# Altium PCB ble_lock_2020-10-10.PcbDoc (part 1 of 5) (continued)
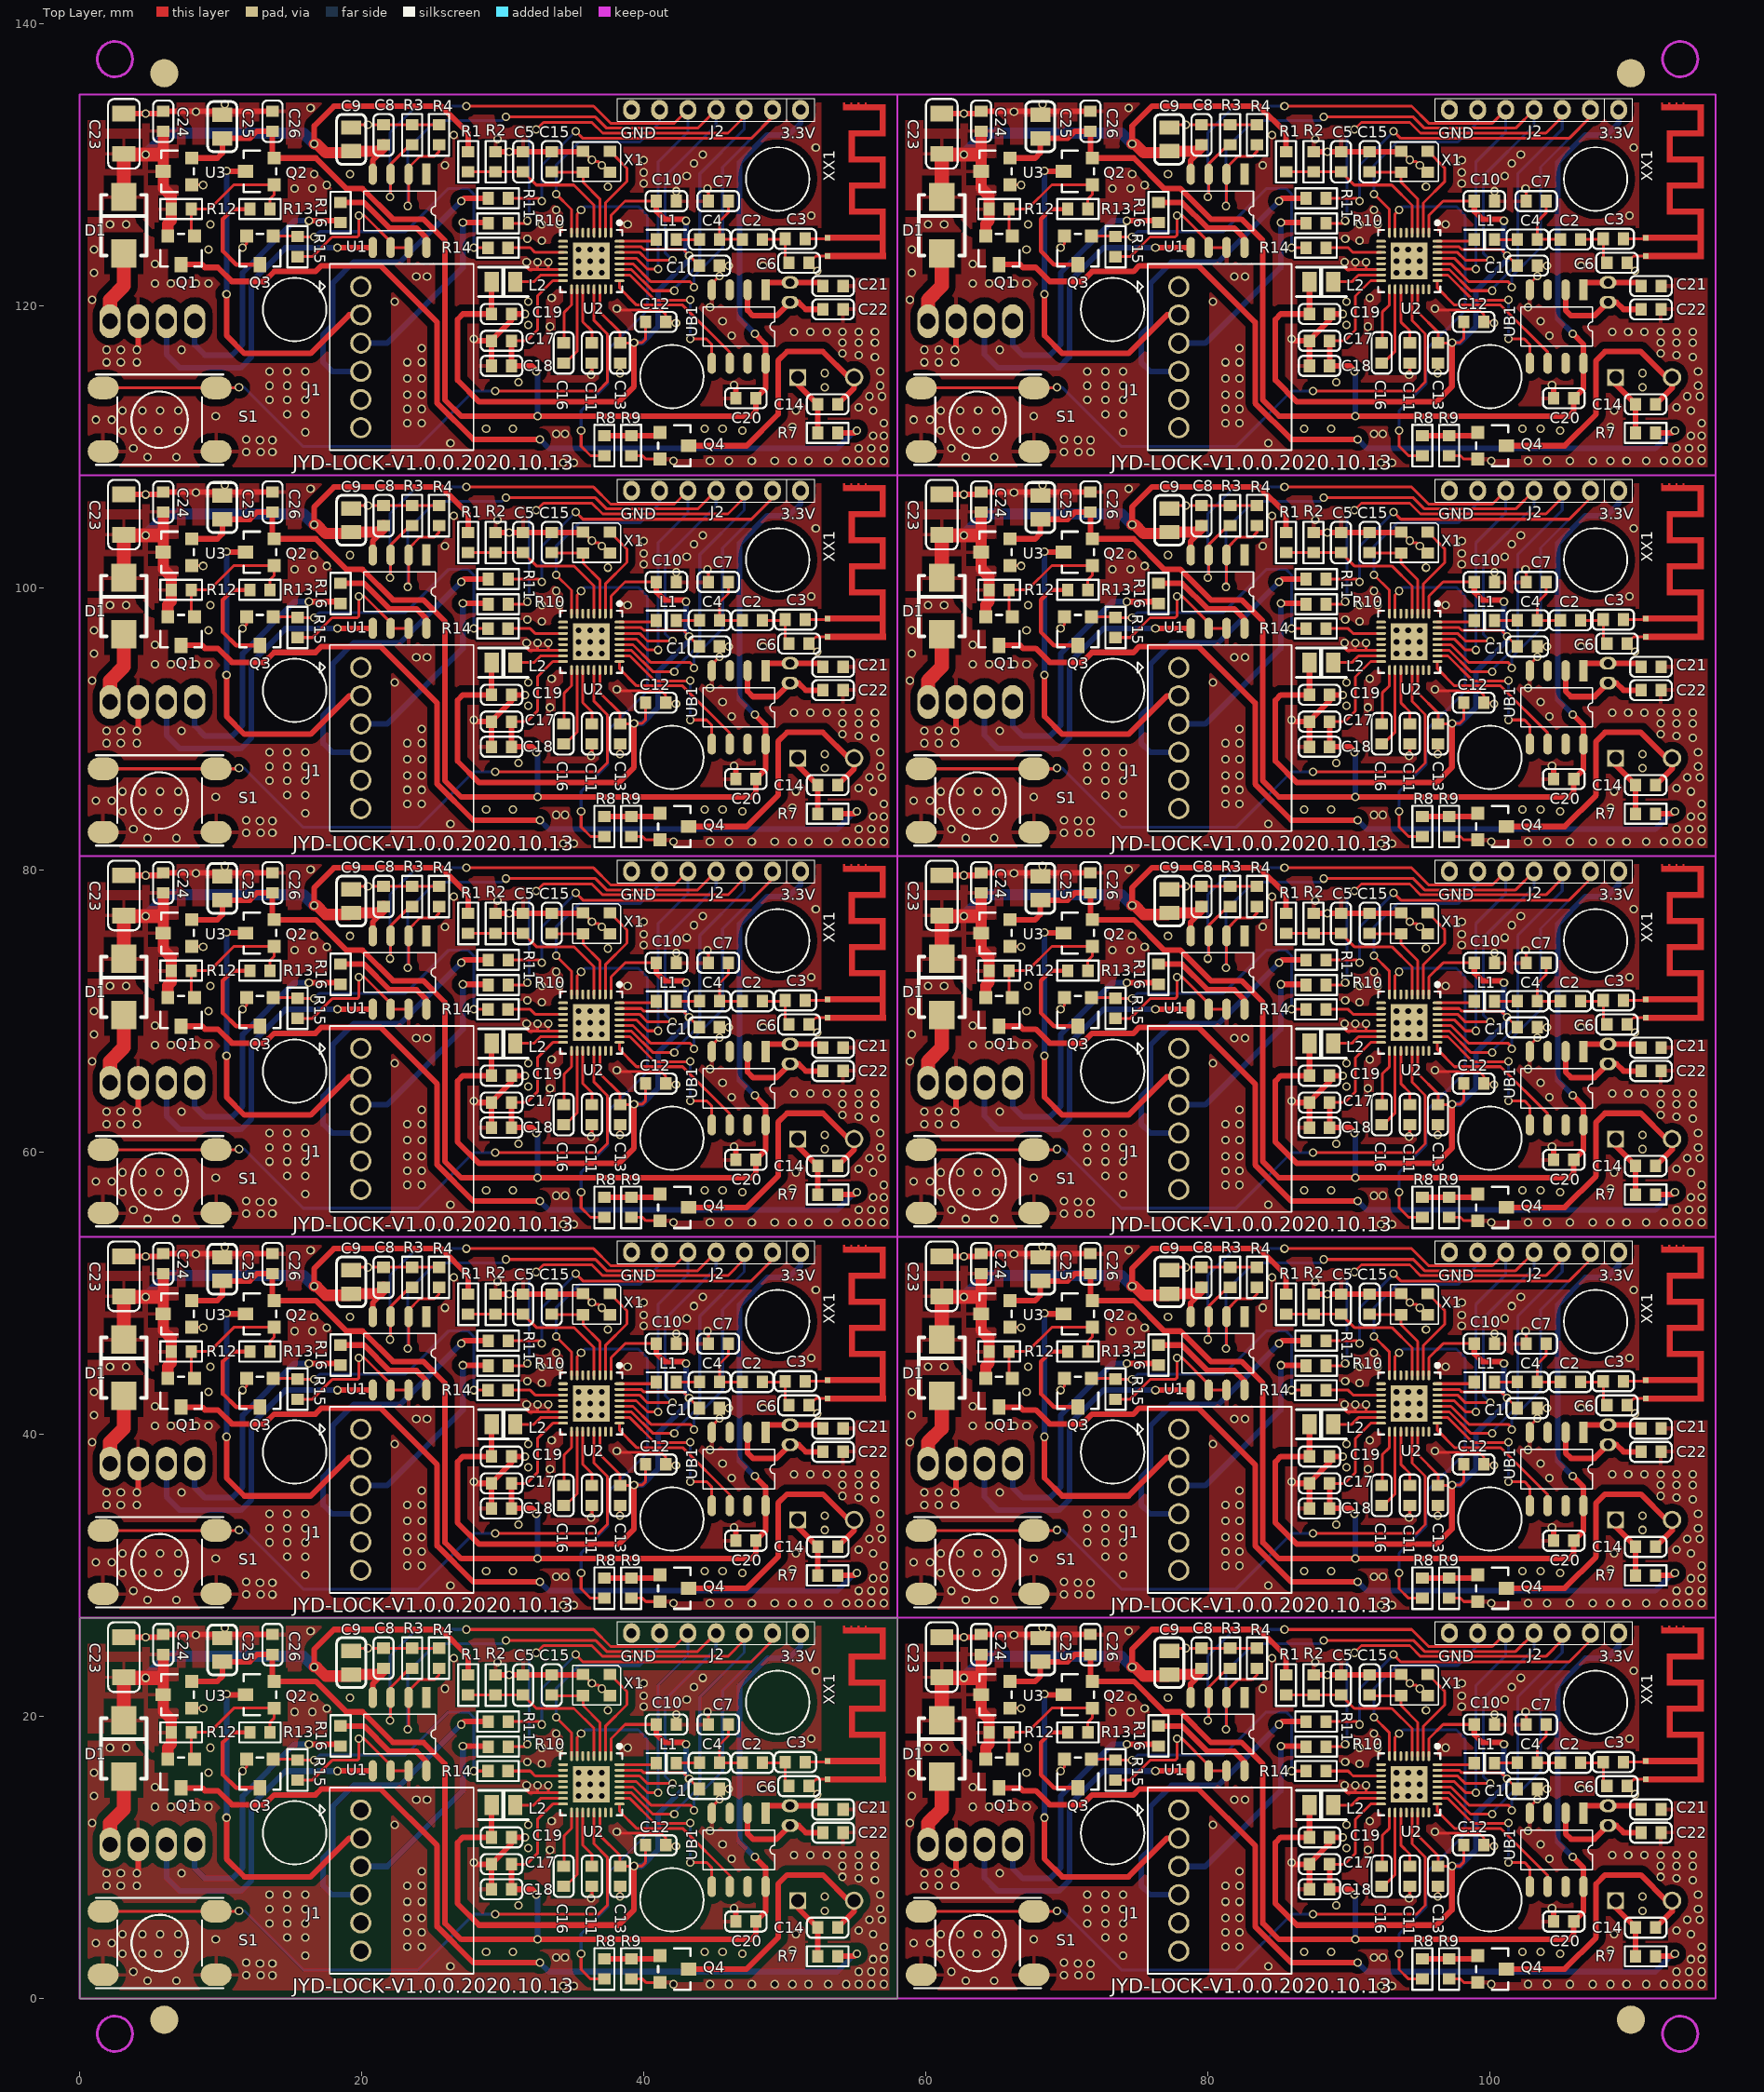
[diagram p0: Top Layer view]
## Components (designator, comment, footprint, x,y, rotation, side; value= is the part's Value field where it differs from the comment) (continued)
R1 "510K%1" 0603R 27.552,49.225 r270 top
R1 "510K%1" 0603R 27.552,76.225 r270 top
R1 "510K%1" 0603R 27.552,103.225 r270 top
R1 "510K%1" 0603R 27.552,130.225 r270 top
R1 "510K%1" 0603R 85.552,130.225 r270 top
R1 "510K%1" 0603R 85.552,103.225 r270 top
R1 "510K%1" 0603R 85.552,76.225 r270 top
R1 "510K%1" 0603R 85.552,49.225 r270 top
R1 "510K%1" 0603R 85.552,22.225 r270 top
R2 "100K%1" 0603R 29.5,22.225 r90 top
R2 "100K%1" 0603R 29.5,49.225 r90 top
R2 "100K%1" 0603R 29.5,76.225 r90 top
R2 "100K%1" 0603R 29.5,103.225 r90 top
R2 "100K%1" 0603R 29.5,130.225 r90 top
R2 "100K%1" 0603R 87.5,130.225 r90 top
R2 "100K%1" 0603R 87.5,103.225 r90 top
R2 "100K%1" 0603R 87.5,76.225 r90 top
R2 "100K%1" 0603R 87.5,49.225 r90 top
R2 "100K%1" 0603R 87.5,22.225 r90 top
R3 "10K" 0603R 23.583,24.13 r270 top
R3 "10K" 0603R 23.583,51.13 r270 top
R3 "10K" 0603R 23.583,78.13 r270 top
R3 "10K" 0603R 23.583,105.13 r270 top
R3 "10K" 0603R 23.583,132.13 r270 top
R3 "10K" 0603R 81.583,132.13 r270 top
R3 "10K" 0603R 81.583,105.13 r270 top
R3 "10K" 0603R 81.583,78.13 r270 top
R3 "10K" 0603R 81.583,51.13 r270 top
R3 "10K" 0603R 81.583,24.13 r270 top
R4 "10K" 0603R 25.488,24.13 r270 top
R4 "10K" 0603R 25.488,51.13 r270 top
R4 "10K" 0603R 25.488,78.13 r270 top
R4 "10K" 0603R 25.488,105.13 r270 top
R4 "10K" 0603R 25.488,132.13 r270 top
R4 "10K" 0603R 83.488,132.13 r270 top
R4 "10K" 0603R 83.488,105.13 r270 top
R4 "10K" 0603R 83.488,78.13 r270 top
R4 "10K" 0603R 83.488,51.13 r270 top
R4 "10K" 0603R 83.488,24.13 r270 top
R7 "10R" 0603R 53.047,2.997 r0 top
R7 "10R" 0603R 53.047,29.997 r0 top
R7 "10R" 0603R 53.047,56.997 r0 top
R7 "10R" 0603R 53.047,83.997 r0 top
R7 "10R" 0603R 53.047,110.997 r0 top
R7 "10R" 0603R 111.047,110.997 r0 top
R7 "10R" 0603R 111.047,83.997 r0 top
R7 "10R" 0603R 111.047,56.997 r0 top
R7 "10R" 0603R 111.047,29.997 r0 top
R7 "10R" 0603R 111.047,2.997 r0 top
R8 "200R" 0603R 37.211,2.093 r270 top
R8 "200R" 0603R 37.211,29.093 r270 top
R8 "200R" 0603R 37.211,56.093 r270 top
R8 "200R" 0603R 37.211,83.093 r270 top
R8 "200R" 0603R 37.211,110.093 r270 top
R8 "200R" 0603R 95.211,110.093 r270 top
R8 "200R" 0603R 95.211,83.093 r270 top
R8 "200R" 0603R 95.211,56.093 r270 top
R8 "200R" 0603R 95.211,29.093 r270 top
R8 "200R" 0603R 95.211,2.093 r270 top
R9 "10K" 0603R 39.116,2.093 r270 top
R9 "10K" 0603R 39.116,29.093 r270 top
R9 "10K" 0603R 39.116,56.093 r270 top
R9 "10K" 0603R 39.116,83.093 r270 top
R9 "10K" 0603R 39.116,110.093 r270 top
R9 "10K" 0603R 97.116,110.093 r270 top
R9 "10K" 0603R 97.116,83.093 r270 top
R9 "10K" 0603R 97.116,56.093 r270 top
R9 "10K" 0603R 97.116,29.093 r270 top
R9 "10K" 0603R 97.116,2.093 r270 top
R10 "560R" 0603R 29.679,17.856 r180 top
R10 "560R" 0603R 29.679,44.856 r180 top
R10 "560R" 0603R 29.679,71.856 r180 top
R10 "560R" 0603R 29.679,98.856 r180 top
R10 "560R" 0603R 29.679,125.856 r180 top
R10 "560R" 0603R 87.679,125.856 r180 top
R10 "560R" 0603R 87.679,98.856 r180 top
R10 "560R" 0603R 87.679,71.856 r180 top
R10 "560R" 0603R 87.679,44.856 r180 top
R10 "560R" 0603R 87.679,17.856 r180 top
R11 "560R" 0603R 29.679,19.634 r180 top
R11 "560R" 0603R 29.679,46.634 r180 top
R11 "560R" 0603R 29.679,73.634 r180 top
R11 "560R" 0603R 29.679,100.634 r180 top
R11 "560R" 0603R 29.679,127.634 r180 top
R11 "560R" 0603R 87.679,127.634 r180 top
R11 "560R" 0603R 87.679,100.634 r180 top
R11 "560R" 0603R 87.679,73.634 r180 top
R11 "560R" 0603R 87.679,46.634 r180 top
R11 "560R" 0603R 87.679,19.634 r180 top
R12 "100K" LC-0603_R 7.2,18.872 r0 top
R12 "100K" LC-0603_R 7.2,45.872 r0 top
R12 "100K" LC-0603_R 7.2,72.872 r0 top
R12 "100K" LC-0603_R 7.2,99.872 r0 top
R12 "100K" LC-0603_R 7.2,126.872 r0 top
R12 "100K" LC-0603_R 65.2,126.872 r0 top
R12 "100K" LC-0603_R 65.2,99.872 r0 top
R12 "100K" LC-0603_R 65.2,72.872 r0 top
R12 "100K" LC-0603_R 65.2,45.872 r0 top
R12 "100K" LC-0603_R 65.2,18.872 r0 top
R13 "1K" LC-0603_R 12.788,18.872 r180 top
R13 "1K" LC-0603_R 12.788,45.872 r180 top
R13 "1K" LC-0603_R 12.788,72.872 r180 top
R13 "1K" LC-0603_R 12.788,99.872 r180 top
R13 "1K" LC-0603_R 12.788,126.872 r180 top
R13 "1K" LC-0603_R 70.788,126.872 r180 top
R13 "1K" LC-0603_R 70.788,99.872 r180 top
R13 "1K" LC-0603_R 70.788,72.872 r180 top
R13 "1K" LC-0603_R 70.788,45.872 r180 top
R13 "1K" LC-0603_R 70.788,18.872 r180 top
R14 "4.7K" LC-0603_R 29.669,16.129 r0 top
R14 "4.7K" LC-0603_R 29.669,43.129 r0 top
R14 "4.7K" LC-0603_R 29.669,70.129 r0 top
R14 "4.7K" LC-0603_R 29.669,97.129 r0 top
R14 "4.7K" LC-0603_R 29.669,124.129 r0 top
R14 "4.7K" LC-0603_R 87.669,124.129 r0 top
R14 "4.7K" LC-0603_R 87.669,97.129 r0 top
R14 "4.7K" LC-0603_R 87.669,70.129 r0 top
R14 "4.7K" LC-0603_R 87.669,43.129 r0 top
R14 "4.7K" LC-0603_R 87.669,16.129 r0 top
R15 "10K" LC-0603_R 15.455,16.205 r270 top
R15 "10K" LC-0603_R 15.455,43.205 r270 top
R15 "10K" LC-0603_R 15.455,70.205 r270 top
R15 "10K" LC-0603_R 15.455,97.205 r270 top
R15 "10K" LC-0603_R 15.455,124.205 r270 top
R15 "10K" LC-0603_R 73.455,124.205 r270 top
R15 "10K" LC-0603_R 73.455,97.205 r270 top
R15 "10K" LC-0603_R 73.455,70.205 r270 top
R15 "10K" LC-0603_R 73.455,43.205 r270 top
R15 "10K" LC-0603_R 73.455,16.205 r270 top
R16 "3R3" 0603R 18.503,18.618 r270 top
R16 "3R3" 0603R 18.503,45.618 r270 top
R16 "3R3" 0603R 18.503,72.618 r270 top
R16 "3R3" 0603R 18.503,99.618 r270 top
R16 "3R3" 0603R 18.503,126.618 r270 top
R16 "3R3" 0603R 76.503,126.618 r270 top
R16 "3R3" 0603R 76.503,99.618 r270 top
R16 "3R3" 0603R 76.503,72.618 r270 top
R16 "3R3" 0603R 76.503,45.618 r270 top
R16 "3R3" 0603R 76.503,18.618 r270 top
S1 "SW-PB" 6*6H9 5.676,3.937 r180 top
S1 "SW-PB" 6*6H9 5.676,30.937 r180 top
S1 "SW-PB" 6*6H9 5.676,57.937 r180 top
S1 "SW-PB" 6*6H9 5.676,84.937 r180 top
S1 "SW-PB" 6*6H9 5.676,111.937 r180 top
S1 "SW-PB" 6*6H9 63.676,111.937 r180 top
S1 "SW-PB" 6*6H9 63.676,84.937 r180 top
S1 "SW-PB" 6*6H9 63.676,57.937 r180 top
S1 "SW-PB" 6*6H9 63.676,30.937 r180 top
S1 "SW-PB" 6*6H9 63.676,3.937 r180 top
U1 "CP2117" SOP8 22.694,18.745 r270 top
U1 "CP2117" SOP8 22.694,45.745 r270 top
U1 "CP2117" SOP8 22.694,72.745 r270 top
U1 "CP2117" SOP8 22.694,99.745 r270 top
U1 "CP2117" SOP8 22.694,126.745 r270 top
U1 "CP2117" SOP8 80.694,126.745 r270 top
U1 "CP2117" SOP8 80.694,99.745 r270 top
U1 "CP2117" SOP8 80.694,72.745 r270 top
U1 "CP2117" SOP8 80.694,45.745 r270 top
U1 "CP2117" SOP8 80.694,18.745 r270 top
U2 "BK3431Q" QFN32_4*4*0.4 36.283,15.189 r270 top
U2 "BK3431Q" QFN32_4*4*0.4 36.283,42.189 r270 top
U2 "BK3431Q" QFN32_4*4*0.4 36.283,69.189 r270 top
U2 "BK3431Q" QFN32_4*4*0.4 36.283,96.189 r270 top
U2 "BK3431Q" QFN32_4*4*0.4 36.283,123.189 r270 top
U2 "BK3431Q" QFN32_4*4*0.4 94.283,123.189 r270 top
U2 "BK3431Q" QFN32_4*4*0.4 94.283,96.189 r270 top
U2 "BK3431Q" QFN32_4*4*0.4 94.283,69.189 r270 top
U2 "BK3431Q" QFN32_4*4*0.4 94.283,42.189 r270 top
U2 "BK3431Q" QFN32_4*4*0.4 94.283,15.189 r270 top
U3 "HT7533-1" SOT-23-3L 6.946,21.539 r90 top
U3 "HT7533-1" SOT-23-3L 6.946,48.539 r90 top
U3 "HT7533-1" SOT-23-3L 6.946,75.539 r90 top
U3 "HT7533-1" SOT-23-3L 6.946,102.539 r90 top
U3 "HT7533-1" SOT-23-3L 6.946,129.539 r90 top
U3 "HT7533-1" SOT-23-3L 64.946,129.539 r90 top
U3 "HT7533-1" SOT-23-3L 64.946,102.539 r90 top
U3 "HT7533-1" SOT-23-3L 64.946,75.539 r90 top
U3 "HT7533-1" SOT-23-3L 64.946,48.539 r90 top
U3 "HT7533-1" SOT-23-3L 64.946,21.539 r90 top
UB1 "PCF8563" SOP8 46.736,10.541 r270 top
UB1 "PCF8563" SOP8 46.736,37.541 r270 top
UB1 "PCF8563" SOP8 46.736,64.541 r270 top
UB1 "PCF8563" SOP8 46.736,91.541 r270 top
UB1 "PCF8563" SOP8 46.736,118.541 r270 top
UB1 "PCF8563" SOP8 104.736,118.541 r270 top
UB1 "PCF8563" SOP8 104.736,91.541 r270 top
UB1 "PCF8563" SOP8 104.736,64.541 r270 top
UB1 "PCF8563" SOP8 104.736,37.541 r270 top
UB1 "PCF8563" SOP8 104.736,10.541 r270 top
X1 "16MHZ" XTAL3225 36.654,22.225 r180 top
X1 "16MHZ" XTAL3225 36.654,49.225 r180 top
X1 "16MHZ" XTAL3225 36.654,76.225 r180 top
X1 "16MHZ" XTAL3225 36.654,103.225 r180 top
X1 "16MHZ" XTAL3225 36.654,130.225 r180 top
X1 "16MHZ" XTAL3225 94.654,130.225 r180 top
X1 "16MHZ" XTAL3225 94.654,103.225 r180 top
X1 "16MHZ" XTAL3225 94.654,76.225 r180 top
X1 "16MHZ" XTAL3225 94.654,49.225 r180 top
X1 "16MHZ" XTAL3225 94.654,22.225 r180 top
XX1 "TIANX" BT_NAMI_NO 53.047,16.84 r270 top
XX1 "TIANX" BT_NAMI_NO 53.047,43.84 r270 top
XX1 "TIANX" BT_NAMI_NO 53.047,70.84 r270 top
XX1 "TIANX" BT_NAMI_NO 53.047,97.84 r270 top
XX1 "TIANX" BT_NAMI_NO 53.047,124.84 r270 top
XX1 "TIANX" BT_NAMI_NO 111.047,124.84 r270 top
XX1 "TIANX" BT_NAMI_NO 111.047,97.84 r270 top
XX1 "TIANX" BT_NAMI_NO 111.047,70.84 r270 top
XX1 "TIANX" BT_NAMI_NO 111.047,43.84 r270 top
XX1 "TIANX" BT_NAMI_NO 111.047,16.84 r270 top
Y1 "32.768KHZ" 晶振-9 50.38,12.268 r90 bottom
Y1 "32.768KHZ" 晶振-9 50.38,39.268 r90 bottom
Y1 "32.768KHZ" 晶振-9 50.38,66.268 r90 bottom
Y1 "32.768KHZ" 晶振-9 50.38,93.268 r90 bottom
Y1 "32.768KHZ" 晶振-9 50.38,120.268 r90 bottom
Y1 "32.768KHZ" 晶振-9 108.38,120.268 r90 bottom
Y1 "32.768KHZ" 晶振-9 108.38,93.268 r90 bottom
Y1 "32.768KHZ" 晶振-9 108.38,66.268 r90 bottom
Y1 "32.768KHZ" 晶振-9 108.38,39.268 r90 bottom
Y1 "32.768KHZ" 晶振-9 108.38,12.268 r90 bottom

## Footprints (in the part's own frame and the unit in brackets; to place one, negate y for a bottom-side part, rotate by r counter-clockwise, add the part's x,y. Pads: shape width x height; smd on the part's side, far side on the other; paste and mask are expansions set on the pad)
6*6H9 [mm]
  oval 2.2x1.6 smd mask+0.05: 1(-4,2.25) 1(4,2.25) 2(-4,-2.25) 2(4,-2.25)
  silkscreen extent -4.5,-3.2 4.5,3.2
7P-2.0MM [mm]
  oval 1.2x1.4 hole 0.7 mask+0.05: 1(0,0) 2(2,0) 3(4,0) 4(6,0) 5(8,0) 6(10,0) 7(12,0)
  silkscreen extent -1,-0.8 13,0.8
0603C [mm]
  rect 0.8x0.9 smd: 1(-0.711,0) 2(0.711,0)
  silkscreen extent -1.47,-0.71 1.47,0.71, body extent -0.8,-0.4 0.8,0.4, height 0.3
0603L [mm]
  rect 0.8x0.9 smd: 1(-0.711,0) 2(0.711,0)
  silkscreen extent -1.4,-0.7 1.4,0.7, body extent -0.82,-0.41 0.82,0.41, height 0.46
0603R [mm]
  rect 0.8x0.9 smd: 1(-0.711,0) 2(0.711,0)
  silkscreen extent -1.47,-0.71 1.47,0.71, body extent -0.85,-0.4 0.85,0.4, height 0.56
0805C [mil]
  rect 40x56 smd: 1(-33,0) 2(33,0)
  silkscreen extent -70,-41 70,41, body extent -39,-25 39,25, height 30
0805L [mil]
  rect 40x56 smd: 1(-33,0) 2(33,0)
  silkscreen extent -70,-41 70,41
BT_NAMI_NO [mm]
  rect 0.4x0.4 smd: 1(0,0) 2(1.3,0)
  Top Layer region: -9.578,1.22 -9.136,1.22 -9.136,1.107 -9.578,1.107
  Top Layer region: -9.571,2.745 -9.135,2.745 -9.135,2.632 -9.571,2.632
  Top Layer region: -9.573,2.239 -9.136,2.239 -9.136,2.126 -9.573,2.126
  Top Layer region: -9.574,1.732 -9.135,1.732 -9.135,1.619 -9.574,1.619
  Top Layer region: -9.048,1.106 -9.45,1.106 -9.45,4.108 -9.048,4.108
  Top Layer region: -9.45,3.704 -9.45,4.106 -7.201,4.106 -7.201,3.704
  Top Layer region: -7.202,1.51 -7.604,1.51 -7.604,4.106 -7.202,4.106
  Top Layer region: -5.35,1.51 -5.752,1.51 -5.752,4.103 -5.35,4.103
  Top Layer region: -7.609,1.506 -7.609,1.907 -5.359,1.907 -5.359,1.506
  Top Layer region: -5.751,3.704 -5.751,4.106 -3.502,4.106 -3.502,3.704
  Top Layer region: -3.5,1.512 -3.902,1.512 -3.902,4.101 -3.5,4.101
  Top Layer region: -3.899,1.51 -3.899,1.911 -1.65,1.911 -1.65,1.51
  Top Layer region: -0.208,3.695 -0.208,4.11 1.495,4.11 1.495,3.695
  Top Layer region: -1.651,1.512 -2.053,1.512 -2.053,4.101 -1.651,4.101
  Top Layer region: -2.05,3.703 -2.05,4.104 0.199,4.104 0.199,3.703
  Top Layer region: 0.2,-0.197 -0.203,-0.197 -0.203,4.1 0.2,4.1
  Top Layer region: 1.5,-0.18 1.098,-0.18 1.098,4.116 1.5,4.116
BUZZER_D93_L40 [mm]
  rect 1.2x1.2 hole 0.9: 1(-2,0)
  round 1.3 hole 0.9: 2(2,0)
  silkscreen extent -4.65,-4.65 4.65,4.65
JC20-4P-V [mm]
  round 1.5 / inner round 1.5 / far side oval 1.5x2.4 hole 1.1 mask+0.05: 1(0,0) 2(-2,0) 3(-4,0) 4(-6,0)
  silkscreen extent -7.6,-2.8 1.6,2.92
JC20-6P-H [mm]
  round 1.5 / inner round 1.5 / far side oval 1.5x2.4 hole 1.1 mask+0.05: 1(6,0) 2(4,0) 3(2,0) 4(0,0) 5(-2,0) 6(-4,0)
  silkscreen extent -5.6,-8 7.6,2.92
LC-0603_R [mm]
  rect 0.8x0.9 smd: 1(-0.711,0) 2(0.711,0)
  silkscreen extent -1.47,-0.71 1.47,0.71, body extent -0.85,-0.4 0.85,0.4, height 0.56
LC-0805_C [mil]
  rect 40x56 smd: 1(-33,0) 2(33,0)
  silkscreen extent -70,-41 70,41, body extent -39,-25 39,25, height 30
LC-1206_C [mil]
  rect 44x64 smd: 1(-56,0) 2(56,0)
  silkscreen extent -97,-44 97,44
LC-SMAF_S1 [mm]
  rect 2x1.8 smd: 1(2,0) 2(-2,0)
  silkscreen extent -2.15,-1.63 2.15,1.63
QFN32_4*4*0.4 [mm]
  rect 2.6x2.6 smd paste-0.025 mask+0.051: 0(0,0)
  oval 0.7x0.2 smd paste-0.025 mask+0.051: 1(-2,1.4) 2(-2,1) 3(-2,0.6) 4(-2,0.2) 5(-2,-0.2) 6(-2,-0.6) 7(-2,-1) 8(-2,-1.4) 17(2,-1.4) 18(2,-1) 19(2,-0.6) 20(2,-0.2) 21(2,0.2) 22(2,0.6) 23(2,1) 24(2,1.4)
  oval 0.2x0.7 smd paste-0.025 mask+0.051: 9(-1.4,-2) 10(-1,-2) 11(-0.6,-2) 12(-0.2,-2) 13(0.2,-2) 14(0.6,-2) 15(1,-2) 16(1.4,-2) 25(1.4,2) 26(1,2) 27(0.6,2) 28(0.2,2) 29(-0.2,2) 30(-0.6,2) 31(-1,2) 32(-1.4,2)
  silkscreen extent -2.82,-2.2 2.2,2.2
SOP8 [mm]
  rect 1.5x0.6 smd mask+0.05: 1(-2.6,1.905)
  oval 1.5x0.6 smd mask+0.05: 2(-2.6,0.635) 3(-2.6,-0.635) 4(-2.6,-1.905) 5(2.6,-1.905) 6(2.6,-0.635) 7(2.6,0.635) 8(2.6,1.905)
  round 0.4 on Top Overlay mask+0.05: ""(-0.949,1.905)
  silkscreen extent -1.4,-2.54 1.4,2.54
"SOT-23 - BCE" [mil]
  rect 36x36 smd: B(-37.4,-40) E(37.4,-40)
  rect 36x43.31 smd: C(0,40)
  silkscreen extent -57,-45 58,45
"SOT-23 - GDS" [mil]
  rect 36x43.31 smd: D(0,40)
  rect 36x36 smd: G(-37.4,-40) S(37.4,-40)
  silkscreen extent -57,-45 58,45
SOT-23-3L [mil]
  rect 36x36 smd: 1(-37.4,-40) 2(37.4,-40)
  rect 36x43.31 smd: 3(0,40)
  silkscreen extent -57,-45 58,45
XTAL3225 [mm]
  rect 0.9x0.8 smd: 1(-0.95,-0.75) 2(0.95,-0.75) 3(0.95,0.75) 4(-0.95,0.75)
  silkscreen extent -1.7,-1.4 1.7,1.4
晶振-9 [mm]
  oval 0.9x1.2 hole 0.6: 1(0,0) 2(1.4,0)
  rect 0x0 smd: 3(0.635,8)
  silkscreen extent -0.3,0.76 1.7,7

## Part data
BZ1 BZ1 BZ1 BZ1 BZ1 BZ1 BZ1 BZ1 BZ1 BZ1: "Buzzer"
C1 C1 C1 C1 C1 C1 C1 C1 C1 C1 C2 C2 C2 C2 C2 C2 C2 C2 C2 C2 C3 C3 C3 C3 C3 C3 C3 C3 C3 C3 C4 C4 C4 C4 C4 C4 C4 C4 C4 C4 C6 C6 C6 C6 C6 C6 C6 C6 C6 C6 C7 C7 C7 C7 C7 C7 C7 C7 C7 C7 C10 C10 C10 C10 C10 C10 C10 C10 C10 C10 C11 C11 C11 C11 C11 C11 C11 C11 C11 C11 C12 C12 C12 C12 C12 C12 C12 C12 C12 C12 C13 C13 C13 C13 C13 C13 C13 C13 C13 C13 C15 C15 C15 C15 C15 C15 C15 C15 C15 C15 C16 C16 C16 C16 C16 C16 C16 C16 C16 C16 C17 C17 C17 C17 C17 C17 C17 C17 C17 C17 C18 C18 C18 C18 C18 C18 C18 C18 C18 C18 C19 C19 C19 C19 C19 C19 C19 C19 C19 C19: library part Cap, "Capacitor"
C5 C5 C5 C5 C5 C5 C5 C5 C5 C5 C8 C8 C8 C8 C8 C8 C8 C8 C8 C8 C9 C9 C9 C9 C9 C9 C9 C9 C9 C9 C26 C26 C26 C26 C26 C26 C26 C26 C26 C26: library part CAP-NP, "Capacitor, Ceramic"
C14 C14 C14 C14 C14 C14 C14 C14 C14 C14: library part C_0_Dup1
C23 C23 C23 C23 C23 C23 C23 C23 C23 C23 C25 C25 C25 C25 C25 C25 C25 C25 C25 C25: library part CAP-P, "Capacitor, tolerance ±20%"
C24 C24 C24 C24 C24 C24 C24 C24 C24 C24: library part "CAP NP"
D1 D1 D1 D1 D1 D1 D1 D1 D1 D1: library part D
J1 J1 J1 J1 J1 J1 J1 J1 J1 J1: "Con"
J3 J3 J3 J3 J3 J3 J3 J3 J3 J3: library part "Header 4H", "Header, 4-Pin, Right Angle"
L1 L1 L1 L1 L1 L1 L1 L1 L1 L1 L2 L2 L2 L2 L2 L2 L2 L2 L2 L2: "Power Inductor, 4.7uH, 0.7A, 260mR DCR"
Q1 Q1 Q1 Q1 Q1 Q1 Q1 Q1 Q1 Q1 Q2 Q2 Q2 Q2 Q2 Q2 Q2 Q2 Q2 Q2: library part PWRMOSFET_EP_DGS_0
Q4 Q4 Q4 Q4 Q4 Q4 Q4 Q4 Q4 Q4: library part NPN_BJT, "Bipolar Junction Transistor"
R1 R1 R1 R1 R1 R1 R1 R1 R1 R1 R2 R2 R2 R2 R2 R2 R2 R2 R2 R2: library part Res2, "Resistor"
R3 R3 R3 R3 R3 R3 R3 R3 R3 R3 R4 R4 R4 R4 R4 R4 R4 R4 R4 R4: library part Pro71C3.TMP_UnNamed_1
R7 R7 R7 R7 R7 R7 R7 R7 R7 R7 R8 R8 R8 R8 R8 R8 R8 R8 R8 R8 R9 R9 R9 R9 R9 R9 R9 R9 R9 R9 R16 R16 R16 R16 R16 R16 R16 R16 R16 R16: library part R_Dup1
R10 R10 R10 R10 R10 R10 R10 R10 R10 R10 R11 R11 R11 R11 R11 R11 R11 R11 R11 R11 R12 R12 R12 R12 R12 R12 R12 R12 R12 R12 R13 R13 R13 R13 R13 R13 R13 R13 R13 R13 R14 R14 R14 R14 R14 R14 R14 R14 R14 R14 R15 R15 R15 R15 R15 R15 R15 R15 R15 R15: library part R
U1 U1 U1 U1 U1 U1 U1 U1 U1 U1: library part AM24LC02_0
U3 U3 U3 U3 U3 U3 U3 U3 U3 U3: library part XC6206P302M
UB1 UB1 UB1 UB1 UB1 UB1 UB1 UB1 UB1 UB1: library part IC8
XX1 XX1 XX1 XX1 XX1 XX1 XX1 XX1 XX1 XX1: library part T

## Free pads (board coordinates)
  round 2 smd: 1(6,136.5) 2(110,136.5) 3(6,-1.5) 4(110,-1.5)

## Via types
v1: diameter 0.6, hole 0.4, Top Layer to Bottom Layer, 2190 vias

## Nets (pads, with @x,y where several pads share a name; then routed paths per layer and width w, separated by ;. In a path a pad name is that pad's centre, name@x,y a point inside that pad or via, vN(x,y) a via of type N, cw(c..) or ccw(c..) an arc to the next point about the centre after c; other vN are vias at no path point)
BAT_ADC: C5.2@31.447,21.514 R1.2@27.552,21.514 R2.1@29.5,21.514 U2.4@36.483,17.189 | length 11.9
  Top Layer w0.2: R1.2@27.552,21.514 R2.1@29.5,21.514 C5.2@31.447,21.514 32.387,20.574 35.052,20.574 36.483,19.143 U2.4@36.483,17.189
BEEP: R8.2@37.211,1.382 U2.7@35.283,17.189 | length 27
  Top Layer w0.2: U2.7@35.283,17.189 35.283,18.519 v1(35.56,18.796) ; v1(35.56,3.175) 35.56,2.056 36.234,1.382 R8.2@37.211,1.382
  Bottom Layer w0.2: v1(35.56,3.175) 35.56,4.572 37.465,6.477 37.465,8.89 40.259,11.684 40.259,18.415 39.624,19.05 35.814,19.05 v1(35.56,18.796)
GND: C1.1@45.366,14.859 C5.1@31.447,22.936 C6.2@51.726,15.062 C7.1@44.579,19.431 C8.2@21.551,24.841 C9.2@19.265,24.648 C10.1@42.318,19.431 C11.2@36.325,7.96 C12.1@41.566,10.871 C13.1@38.324,7.96 C15.1@33.479,22.936 C17.2@29.212,9.525 C18.2@29.212,7.747 C19.1@30.634,11.43 C20.2@46.533,5.461 C21.2@54.139,13.411 C22.1@54.139,11.76 C23.2@3.136,25.628 C24.2@5.93,25.806 C25.2@10.121,25.552 C26.2@13.677,25.806 J2.7@39.132,25.908 J3.2@4.159,10.922 Q3.E@11.838,16.967 Q4.2@41.148,1.143 R2.2@29.5,22.936 R3.1@23.583,24.841 R4.1@25.488,24.841 R9.2@39.116,1.382 R15.2@15.455,15.494 S1.1@1.676,1.687 S1.1@9.676,1.687 U1.6@22.059,16.145 U1.7@23.329,16.145 U2.14@34.283,14.589 U3.1@7.962,20.589 UB1.4@44.831,13.141 X1.2@35.704,22.975 X1.4@37.604,21.475 XX1.2@53.047,15.54 | length 67.6
  Top Layer w0.2: U3.1@7.962,20.589 8.748,20.589 v1(8.763,20.574) ; v1(11.557,16.129) 11.838,16.41 Q3.E@11.838,16.967 ; R15.2@15.455,15.494 16.51,15.494 17.907,16.891 19.685,16.891 19.812,17.018 v1(19.812,18.415) 20.193,18.415 22.059,16.549 U1.6@22.059,16.145 U1.7@23.329,16.145 ; C9.2@19.265,24.648 19.459,24.841 v1(20.447,24.841) C8.2@21.551,24.841 R3.1@23.583,24.841 R4.1@25.488,24.841 ; v1(31.701,15.113) 31.701,14.732 31.844,14.589 32.463,14.589 ; v1(32.463,15.113) 32.463,14.589 ; v1(33.225,15.113) 33.225,14.589 ; U2.14@34.283,14.589 33.225,14.589 ; X1.2@35.704,22.975 v1(36.322,22.357) 36.454,22.225 36.781,22.225 v1(37.035,21.971) 37.108,21.971 X1.4@37.604,21.475 ; v1(36.273,7.112) 36.325,7.164 C11.2@36.325,7.96 ; v1(38.1,11.811) 38.198,11.713 41.246,11.713 41.566,11.393 C12.1@41.566,10.871 42.215,10.871 v1(42.291,10.795) ; v1(38.305,7.239) 38.324,7.258 C13.1@38.324,7.96 ; R9.2@39.116,1.382 39.917,1.382 40.156,1.143 Q4.2@41.148,1.143 ; C10.1@42.318,19.431 v1(42.318,20.142) v1@42.369,20.193 ; v1(44.528,20.32) 44.579,20.269 C7.1@44.579,19.431 ; UB1.4@44.831,13.141 44.831,13.589 v1(45.366,14.124) C1.1@45.366,14.859 v1(46.052,14.859) ; v1(52.31,14.478) C6.2@51.726,15.062 52.204,15.54 XX1.2@53.047,15.54 ; 32.463,14.589 33.225,14.589
  Top Layer w0.4: C23.2@3.136,25.628 v1(4.699,25.628) 5.752,25.628 C24.2@5.93,25.806 C26.2@13.677,25.806 ; v1(4.064,8.89) 4.159,8.985 J3.2@4.159,10.922 ; v1(27.94,9.652) 28.067,9.525 C17.2@29.212,9.525 ; C18.2@29.212,7.747 C17.2@29.212,9.525 ; R2.2@29.5,22.936 v1(30.473,22.936) C5.1@31.447,22.936 C15.1@33.479,22.936 35.665,22.936 X1.2@35.704,22.975 X1.2@35.638,23.041 ; v1(31.574,11.43) C19.1@30.634,11.43 30.634,10.998 29.212,9.576 C17.2@29.212,9.525 ; v1(46.406,6.411) 46.533,6.284 C20.2@46.533,5.461
  other v1: 34.29,0.889 35.052,0.889 42.105,1.016 44.704,1.016 46.052,1.016 47.671,1.016 49.29,1.016 50.546,1.016 51.689,1.016 53.086,1.016 54.356,1.016 55.245,1.016 56.134,1.016 57.023,1.016 4.826,1.27 6.858,1.27 13.677,1.641 11.811,1.651 12.827,1.651 3.81,1.905 55.245,1.905 56.134,1.905 57.023,1.905 26.289,2.286 12.788,2.489 13.677,2.489 11.811,2.54 56.261,2.794 57.023,2.794 33.782,2.921 34.417,2.921 16.002,3.048 3.048,3.175 4.445,3.175 5.588,3.175 6.985,3.175 46.99,3.175 28.829,3.302 30.734,3.302 44.323,3.302 45.593,3.302 50.546,3.429 23.241,3.683 24.257,3.683 57.023,3.683 1.143,3.937 2.286,3.937 9.652,4.191 14.732,4.318 16.002,4.318 3.048,4.572 4.445,4.572 5.715,4.572 6.985,4.572 50.8,4.572 56.261,4.572 23.241,4.699 24.257,4.699 55.245,4.826 13.462,5.334 14.732,5.334 16.002,5.334 56.007,5.588 56.896,5.588 23.241,5.715 24.257,5.715 52.832,6.223 13.462,6.35 14.732,6.35 16.002,6.35 56.769,6.35 31.115,6.604 23.241,6.858 24.257,6.858 52.832,7.239 13.462,7.366 14.732,7.366 16.002,7.366 56.769,7.366 1.905,8.001 2.921,8.001 4.064,8.001 23.241,8.001 24.257,8.001 56.388,8.382 55.245,8.509 54.102,8.636 1.905,8.89 2.921,8.89 7.239,8.89 24.257,9.017 54.102,9.398 55.245,9.398 56.388,9.398 46.228,9.906 50.673,10.16 51.816,10.16 52.959,10.16 54.102,10.16 55.245,10.16 56.388,10.16 33.352,10.541 31.828,10.668 45.593,10.922 44.704,11.901 22.352,12.319 31.828,12.319 0.889,12.446 33.479,12.573 5.334,13.589 6.477,13.589 8.255,13.589 9.144,13.589 23.876,14.097 24.638,14.097 1.016,14.351 35.384,14.351 36.21,14.351 37.035,14.351 48.465,14.859 5.334,14.986 35.384,15.176 36.21,15.176 37.035,15.176 1.016,16.002 9.144,16.002 35.384,16.002 36.21,16.002 37.035,16.002 32.766,16.637 31.75,16.764 2.159,17.78 3.302,17.78 9.271,17.78 32.766,17.78 34.036,17.78 38.862,17.78 51.894,18.415 33.782,18.796 15.24,20.32 16.51,20.32 37.465,20.447 17.526,20.574 40.005,20.701 43.053,21.209 16.637,21.336 19.177,21.336 40.005,21.463 25.908,21.971 43.561,22.098 40.005,22.352 44.196,22.733 52.197,23.241 29.627,23.836 26.543,24.13 8.255,25.781 16.383,26.035 10.287,26.289
INT_FP: U2.5@36.083,17.189
IRQ_TSM12: U2.6@35.683,17.189
M3V3: C17.1@30.634,9.525 C18.1@30.634,7.747 C20.1@47.955,5.461 C25.1@10.121,23.876 C26.1@13.677,24.384 J2.1@51.132,25.908 Q2.S@13.804,22.489 U2.16@34.283,13.789 U3.2@7.962,22.489 UB1.8@48.641,7.941 | length 96.5
  Top Layer w0.2: C17.1@30.634,9.525 31.701,9.525 32.463,10.287 32.463,12.7 33.552,13.789 U2.16@34.283,13.789
  Top Layer w0.4: U3.2@7.962,22.489 9.769,22.489 10.121,22.841 C25.1@10.121,23.876 12.065,23.876 12.573,24.384 C26.1@13.677,24.384 13.677,22.616 Q2.S@13.804,22.489 16.754,22.489 18.923,20.32 20.066,20.32 22.225,18.161 24.384,18.161 25.908,16.637 25.908,5.334 27.051,4.191 v1(32.463,4.191) 47.625,4.191 47.955,4.521 C20.1@47.955,5.461 48.641,6.147 UB1.8@48.641,7.941 48.641,9.271 v1(47.879,10.033) ; C17.1@30.634,9.525 C18.1@30.634,7.747 32.082,7.747 32.463,7.366 v1(32.385,7.366)
  Bottom Layer w0.4: v1(32.385,7.366) 32.463,7.288 v1(32.463,4.191) ; v1(47.879,10.033) 46.811,11.101 46.811,22.173 48.768,24.13 50.292,24.13 51.132,24.97 J2.1@51.132,25.908
MOTO+: J3.4@8.159,10.922 R16.2@18.503,17.907 | length 19.3
  Top Layer w0.4: v1(16.256,18.034) 18.376,18.034 R16.2@18.503,17.907
  Bottom Layer w0.4: J3.4@8.159,10.922 8.159,9.24 8.89,8.509 10.795,8.509 11.557,9.271 11.557,14.351 15.24,18.034 v1(16.256,18.034)
MOTO-: J3.3@6.159,10.922 U1.5@20.789,16.145 | length 24
  Top Layer w0.4: v1(18.288,16.129) 18.304,16.145 U1.5@20.789,16.145
  Bottom Layer w0.4: J3.3@6.159,10.922 6.159,8.573 7.112,7.62 11.43,7.62 12.192,8.382 12.192,13.716 14.605,16.129 v1(18.288,16.129)
NetBZ1_1: BZ1.1@50.92,6.934 C14.2@52.336,5.029 R7.1@52.336,2.997 | length 4.5
  Top Layer w0.4: BZ1.1@50.92,6.934 50.92,6.445 C14.2@52.336,5.029 R7.1@52.336,2.997
NetBZ1_2: BZ1.2@54.92,6.934 C14.1@53.758,5.029 Q4.3@43.18,2.093 | length 19.9
  Top Layer w0.4: Q4.3@43.18,2.093 47.305,2.093 49.53,4.318 49.53,8.128 50.165,8.763 52.705,8.763 54.534,6.934 BZ1.2@54.92,6.934 54.92,6.191 C14.1@53.758,5.029
NetC2_1: C2.1@48.424,16.713 C3.2@50.04,16.764 C6.1@50.304,15.062 | length 3.4
  Top Layer w0.2: C2.1@48.424,16.713 49.989,16.713 C3.2@50.04,16.764 50.04,15.326 C6.1@50.304,15.062
NetC2_2: C2.2@47.002,16.713 C4.2@45.376,16.713 C7.2@46.001,19.431 | length 4.6
  Top Layer w0.2: C7.2@46.001,19.431 46.001,18.618 45.376,17.993 C4.2@45.376,16.713 C2.2@47.002,16.713
NetC3_1: C3.1@51.462,16.764 XX1.1@53.047,16.84 | length 1.6
  Top Layer w0.2: C3.1@51.462,16.764 52.971,16.764 XX1.1@53.047,16.84
NetC4_1: C4.1@43.954,16.713 L1.1@42.318,16.702 | length 1.6
  Top Layer w0.2: L1.1@42.318,16.702 43.943,16.702 C4.1@43.954,16.713
NetC11_1: C11.1@36.325,9.382 U2.19@35.683,13.189 | length 4.1
  Top Layer w0.2: U2.19@35.683,13.189 35.683,10.877 36.325,10.235 C11.1@36.325,9.382
NetC15_2: C15.2@33.479,21.514 U2.3@36.883,17.189 X1.3@35.704,21.475 | length 7
  Top Layer w0.2: C15.2@33.479,21.514 33.518,21.475 X1.3@35.704,21.475 35.704,20.762 36.883,19.583 U2.3@36.883,17.189
NetC16_1: C16.1@34.327,9.382 U2.17@34.883,13.189 | length 4
  Top Layer w0.2: C16.1@34.327,9.382 34.368,9.423 34.368,11.557 34.883,12.072 U2.17@34.883,13.189
NetC16_2: C16.2@34.327,7.96 U2.18@35.283,13.189 | length 5.7
  Top Layer w0.2: C16.2@34.327,7.96 34.454,7.96 35.283,8.789 U2.18@35.283,13.189
NetC21_1: C21.1@52.717,13.411 UB1.1@48.641,13.141 Y1.2@50.38,13.668 | length 4.6
  Top Layer w0.4: UB1.1@48.641,13.141 48.641,13.462 48.847,13.668 Y1.2@50.38,13.668 52.46,13.668 C21.1@52.717,13.411
NetC22_2: C22.2@52.717,11.76 UB1.2@47.371,13.141 Y1.1@50.38,12.268 | length 7.6
  Top Layer w0.4: UB1.2@47.371,13.141 47.371,11.684 47.752,11.303 49.415,11.303 Y1.1@50.38,12.268 50.978,12.268 51.486,11.76 C22.2@52.717,11.76
NetD1_1: D1.1@3.136,15.729 J3.1@2.159,10.922 | length 5.2
  Top Layer w1: J3.1@2.159,10.922 2.159,12.446 3.136,13.423 D1.1@3.136,15.729
NetJ1_3: J1.3@19.939,9.366 R10.2@28.968,17.856 | length 14.4
  Top Layer w0.4: v1(27.178,17.907) 28.917,17.907 R10.2@28.968,17.856
  Bottom Layer w0.4: J1.3@19.939,9.366 21.812,9.366 27.178,14.732 v1(27.178,17.907)
NetJ1_4: J1.4@19.939,7.366 R11.2@28.968,19.634 | length 22.3
  Top Layer w0.4: v1(27.051,19.431) 27.254,19.634 R11.2@28.968,19.634
  Bottom Layer w0.4: J1.4@19.939,7.366 17.907,7.366 17.272,8.001 17.272,9.97 17.939,10.636 17.939,13.621 19.431,15.113 22.733,15.113 v1(27.051,19.431)
NetL1_2: L1.2@40.896,16.702 U2.32@38.283,16.589 | length 2.7
  Top Layer w0.2: U2.32@38.283,16.589 40.783,16.589 L1.2@40.896,16.702
NetL2_2: L2.2@30.888,13.716 U2.15@34.283,14.189 | length 3.6
  Top Layer w0.2: L2.2@30.888,13.716 32.209,13.716 32.682,14.189 U2.15@34.283,14.189
NetQ1_G: Q1.G@8.15,16.967 Q2.G@13.804,20.589 R12.2@7.911,18.872 R13.1@13.499,18.872 | length 10.5
  Top Layer w0.2: Q1.G@8.15,16.967 7.911,17.206 R12.2@7.911,18.872 9.22,18.872 10.937,20.589 Q2.G@13.804,20.589 13.804,19.9 13.499,19.595 R13.1@13.499,18.872
NetQ3_B: Q3.B@13.738,16.967 R14.1@28.958,16.129 R15.1@15.455,16.916 | length 20.6
  Top Layer w0.2: Q3.B@13.738,16.967 15.404,16.967 R15.1@15.455,16.916 15.48,16.891 v1(16.637,16.891) ; v1(27.94,16.129) R14.1@28.958,16.129
  Bottom Layer w0.2: v1(16.637,16.891) 17.018,17.272 23.114,17.272 26.162,20.32 27.559,20.32 27.94,19.939 v1(27.94,16.129)
NetQ3_C: Q3.C@12.788,14.935 R13.2@12.077,18.872 | length 7.5
  Top Layer w0.3: R13.2@12.077,18.872 10.871,18.872 10.16,18.161 10.16,15.875 11.1,14.935 Q3.C@12.788,14.935
NetQ4_1: Q4.1@41.148,3.043 R8.1@37.211,2.804 R9.1@39.116,2.804 | length 4
  Top Layer w0.4: R8.1@37.211,2.804 R9.1@39.116,2.804 40.909,2.804 Q4.1@41.148,3.043
NetR16_1: R16.1@18.503,19.329 U1.8@24.599,16.145 | length 7.8
  Top Layer w0.4: R16.1@18.503,19.329 20.168,19.329 21.971,17.526 23.876,17.526 24.599,16.803 U1.8@24.599,16.145
NetU2_2: U2.2@37.283,17.189 X1.1@37.604,22.975 | length 6.9
  Top Layer w0.2: U2.2@37.283,17.189 37.283,19.298 38.813,20.828 38.813,21.766 X1.1@37.604,22.975
P04/LED_RED: J2.3@47.132,25.908 R10.1@30.39,17.856 U2.27@38.283,14.589 | length 43.8
  Top Layer w0.2: R10.1@30.39,17.856 31.572,17.856 v1(31.75,18.034) ; v1(32.385,24.511) 32.893,25.019 36.322,25.019 37.089,24.252 45.969,24.252 47.132,25.415 J2.3@47.132,25.908 ; U2.27@38.283,14.589 39.132,14.589 40.64,13.081 v1(42.164,13.081)
  Bottom Layer w0.2: v1(31.75,18.034) 31.877,18.161 31.877,24.003 v1(32.385,24.511) ; v1(42.164,13.081) 42.164,13.208 43.976,15.02 43.976,21.37 47.132,24.526 J2.3@47.132,25.908
P05/LED_GREEN: J2.2@49.132,25.908 R11.1@30.39,19.634 U2.28@38.283,14.989 | length 44.8
  Top Layer w0.2: R11.1@30.39,19.634 32.563,19.634 v1(32.766,19.431) ; v1(35.179,24.384) 35.687,23.876 47.625,23.876 49.132,25.383 J2.2@49.132,25.908 ; U2.28@38.283,14.989 39.24,14.989 40.513,13.716 43.307,13.716 v1@43.624,13.399 ; v1(43.561,13.335) v1@43.624,13.399 ; v1@43.688,13.335 v1@43.624,13.399
  Bottom Layer w0.2: v1(32.766,19.431) 32.766,21.971 v1(35.179,24.384) ; v1(43.561,13.335) 43.561,14.097 45.593,16.129 45.593,21.844 49.132,25.383 J2.2@49.132,25.908
P06/MOTO1: J2.5@43.132,25.908 R3.2@23.583,23.419 U1.3@22.059,21.345 U2.29@38.283,15.389 | length 47.1
  Top Layer w0.2: v1(22.01,19.724) 22.059,19.724 U1.3@22.059,21.345 22.059,22.059 23.419,23.419 R3.2@23.583,23.419 ; v1(27.432,26.162) 36.449,26.162 37.655,24.956 42.18,24.956 J2.5@43.132,25.908 ; U2.29@38.283,15.389 39.475,15.389 40.259,14.605 v1(41.021,14.605)
  Bottom Layer w0.2: v1(22.01,19.724) 22.01,24.296 23.876,26.162 v1(27.432,26.162) ; v1(41.021,14.605) 41.021,22.225 43.132,24.336 J2.5@43.132,25.908
P07/MOTO0: J2.4@45.132,25.908 R4.2@25.488,23.419 U1.2@23.329,21.345 U2.30@38.283,15.789 | length 49.9
  Top Layer w0.2: v1(23.28,19.089) 23.329,19.089 U1.2@23.329,21.345 23.329,21.805 24.13,22.606 25.146,22.606 25.488,22.948 R4.2@25.488,23.419 ; v1(30.226,25.4) 36.576,25.4 37.372,24.604 43.828,24.604 J2.4@45.132,25.908 ; U2.30@38.283,15.789 39.71,15.789 40.259,15.24 v1(42.037,15.24)
  Bottom Layer w0.2: v1(23.28,19.089) 23.28,23.153 25.273,25.146 29.972,25.146 v1(30.226,25.4) ; v1(42.037,15.24) 41.529,15.748 41.529,21.209 45.132,24.812 J2.4@45.132,25.908
PWR_CTL: R14.2@30.38,16.129 U2.11@34.283,15.789 | length 4
  Top Layer w0.2: R14.2@30.38,16.129 31.955,16.129 32.295,15.789 U2.11@34.283,15.789
REMOTO: U2.10@34.283,16.189
RSTN: J2.6@41.132,25.908 U2.8@34.883,17.189 | length 14.7
  Top Layer w0.2: v1(33.782,19.939) 34.883,18.838 U2.8@34.883,17.189
  Bottom Layer w0.2: v1(33.782,19.939) 33.782,21.971 35.433,23.622 39.735,23.622 41.132,25.019 J2.6@41.132,25.908
RX2/SETKEY: S1.2@1.676,6.187 S1.2@9.676,6.187 U2.21@36.483,13.189 | length 46.4
  Top Layer w0.2: S1.2@1.676,6.187 S1.2@9.676,6.187 11.267,6.187 v1(11.303,6.223) ; v1(29.464,5.969) 36.781,5.969 37.416,6.604 37.416,10.033 36.483,10.966 U2.21@36.483,13.189
  Bottom Layer w0.2: v1(11.303,6.223) 11.684,6.223 15.875,2.032 24.003,2.032 27.94,5.969 v1(29.464,5.969)
SCL: U2.25@38.283,13.789 UB1.6@46.101,7.941 | length 11
  Top Layer w0.2: U2.25@38.283,13.789 38.283,13.279 39.497,12.065 42.76,12.065 46.101,8.724 UB1.6@46.101,7.941
SDA: U2.26@38.283,14.189 UB1.5@44.831,7.941 | length 11.6
  Top Layer w0.2: U2.26@38.283,14.189 39.024,14.189 40.796,12.417 43.278,12.417 v1(43.307,12.446) ; v1(43.307,9.652) 44.45,9.652 44.831,9.271 UB1.5@44.831,7.941
  Bottom Layer w0.2: v1(43.307,9.652) v1(43.307,12.446)
TX2: U2.20@36.083,13.189
V6V: Q1.D@7.2,14.935 R7.2@53.758,2.997 | length 59.6
  Top Layer w0.4: Q1.D@7.2,14.935 8.687,14.935 8.89,14.732 9.803,14.732 10.795,13.74 13.098,13.74 13.797,14.439 16.725,14.439 17.145,14.859 21.336,14.859 25.356,10.839 25.356,5.105 27.921,2.54 v1(32.639,2.54) ; R7.2@53.758,2.997 54.94,2.997 v1(55.118,3.175)
  Bottom Layer w0.4: v1(32.639,2.54) 33.274,1.905 53.721,1.905 54.991,3.175 v1(55.118,3.175)